# Altium PCB PCB_v1.PcbDoc (part 7 of 8) (continued)
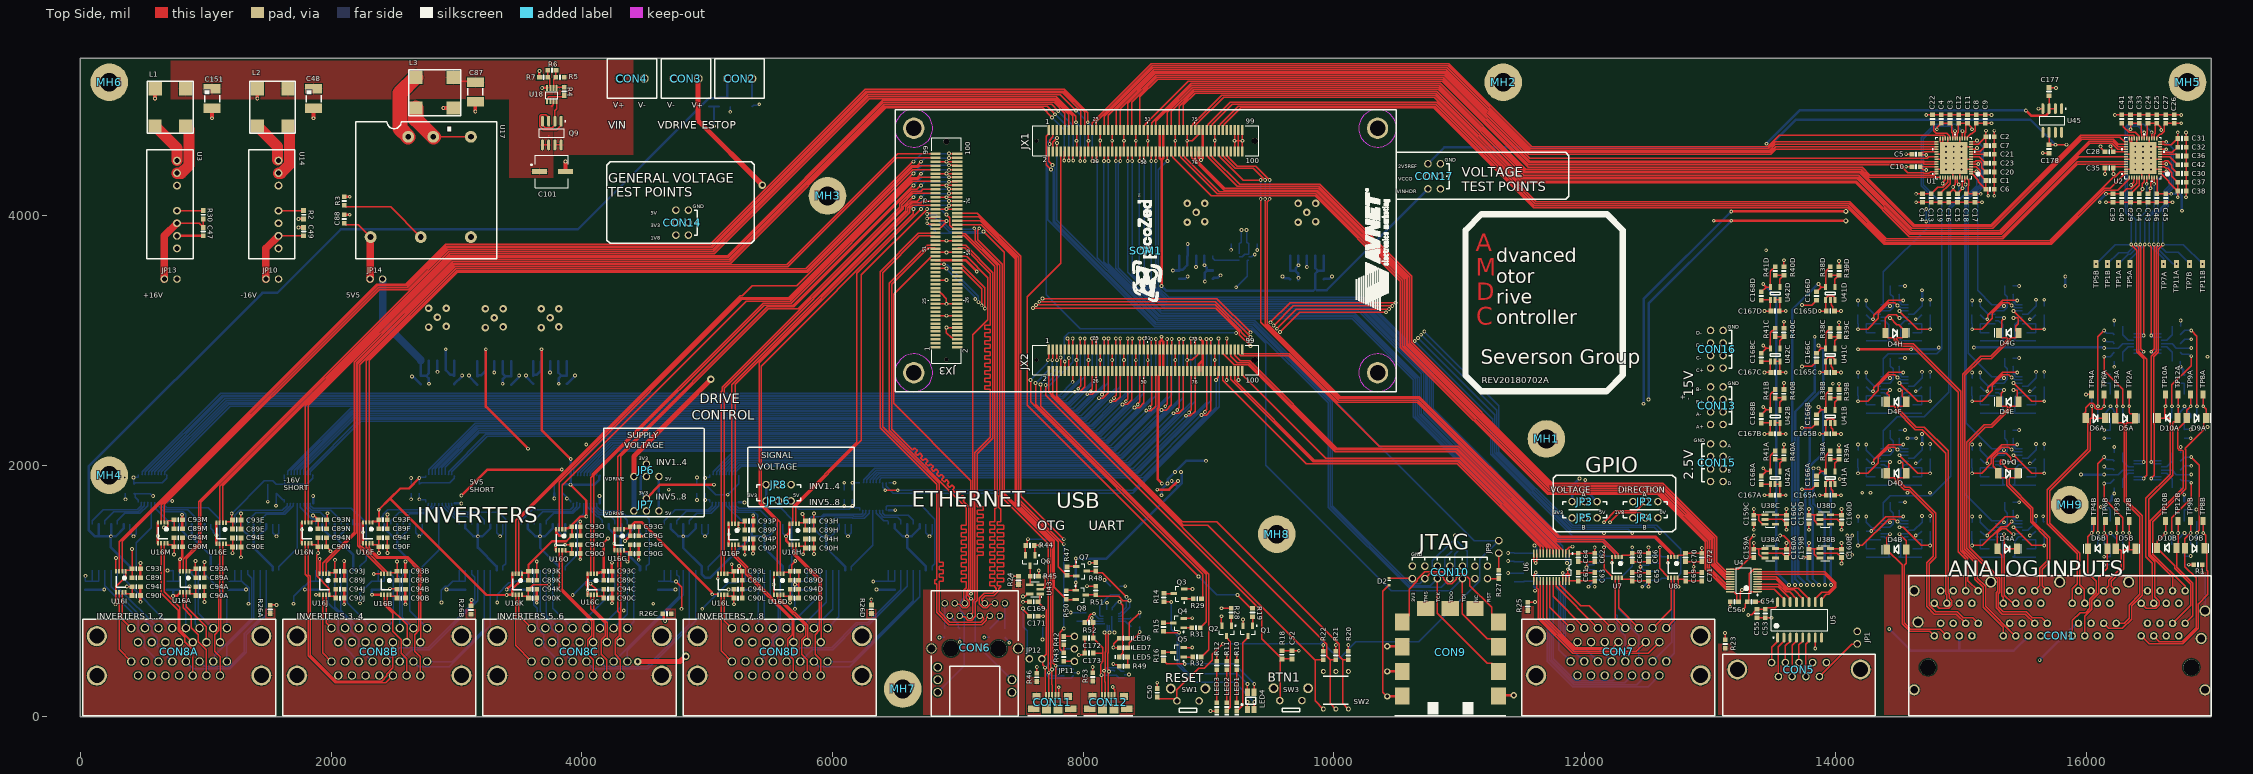
[diagram p0: Top Side view]
## Nets (pads, with @x,y where several pads share a name; then routed paths per layer and width w, separated by ;. In a path a pad name is that pad's centre, name@x,y a point inside that pad or via, vN(x,y) a via of type N, cw(c..) or ccw(c..) an arc to the next point about the centre after c; other vN are vias at no path point) (continued)
NetR5_1: R5.1 R6.2 U18.2 | length 148.2
  Top Side w10: U18.2@3773.97,5015.05 3773.97,5081.8 R5.1@3792.21,5100.05 3792.21,5153.42 R6.2@3793.84,5155.05
NetR6_1: R6.1 R7.2 U18.3 | length 148.9
  Top Side w10: R6.1@3726.91,5155.05 3728.68,5153.28 R7.2@3728.68,5100.05 3742.39,5086.35 3742.39,5037.18 3748.38,5031.19 U18.3@3748.38,5015.05
NetR8A_2: R8A.2 R9A.1 U3A.10 | length 491.2
  Top Side w10: v1(15421.63,1510) 15566.63,1365 v1(15666.63,1365)
  Bottom Side w10: v1(15421.63,1510) 15422.1,1510.47 15491.95,1510.47 U3A.10@15492.42,1510.94 ; v1(15666.63,1365) R9A.1@15666.63,1480
NetR8B_2: R8B.2 R9B.1 U3B.10 | length 491.2
  Top Side w10: v1(14511.63,1510) 14511.99,1509.64 14541.63,1509.64 14686.28,1365 v1(14756.63,1365)
  Bottom Side w10: v1(14511.63,1510) 14512.1,1510.47 14581.95,1510.47 U3B.10@14582.42,1510.94 ; v1(14756.63,1365) R9B.1@14756.63,1480
NetR8C_2: R8C.2 R9C.1 U3C.10 | length 491.2
  Top Side w10: v1(15421.63,2085) 15566.63,1940 v1(15666.63,1940)
  Bottom Side w10: v1(15421.63,2085) 15422.1,2085.47 15491.95,2085.47 U3C.10@15492.42,2085.94 ; v1(15666.63,1940) R9C.1@15666.63,2055
NetR8D_2: R8D.2 R9D.1 U3D.10 | length 491.2
  Top Side w10: v1(14511.63,2085) 14656.63,1940 v1(14756.63,1940)
  Bottom Side w10: v1(14511.63,2085) 14512.1,2085.47 14581.95,2085.47 U3D.10@14582.42,2085.94 ; v1(14756.63,1940) R9D.1@14756.63,2055
NetR8E_2: R8E.2 R9E.1 U3E.10 | length 491.2
  Top Side w10: v1(15421.63,2660) 15566.63,2515 v1(15666.63,2515)
  Bottom Side w10: v1(15421.63,2660) 15422.1,2660.47 15491.95,2660.47 U3E.10@15492.42,2660.94 ; v1(15666.63,2515) R9E.1@15666.63,2630
NetR8F_2: R8F.2 R9F.1 U3F.10 | length 491.2
  Top Side w10: v1(14511.63,2660) 14656.63,2515 v1(14756.63,2515)
  Bottom Side w10: v1(14511.63,2660) 14512.1,2660.47 14581.95,2660.47 U3F.10@14582.42,2660.94 ; v1(14756.63,2515) R9F.1@14756.63,2630
NetR8G_2: R8G.2 R9G.1 U3G.10 | length 491.2
  Top Side w10: v1(15421.63,3235) 15566.63,3090 v1(15666.63,3090)
  Bottom Side w10: v1(15421.63,3235) 15422.1,3235.47 15491.95,3235.47 U3G.10@15492.42,3235.94 ; v1(15666.63,3090) R9G.1@15666.63,3205
NetR8H_2: R8H.2 R9H.1 U3H.10 | length 491.2
  Top Side w10: v1(14511.63,3235) 14656.63,3090 v1(14756.63,3090)
  Bottom Side w10: v1(14511.63,3235) 14512.1,3235.47 14581.95,3235.47 U3H.10@14582.42,3235.94 ; v1(14756.63,3090) R9H.1@14756.63,3205
NetR30_2: R30.2 U3.5 | length 211.4
  Top Side w10: U3.5@770,4035.29 979.06,4035.29 R30.2@980.71,4036.93
NetR38A_1: R38A.1 R39A.2 U41A.4 | length 178.5
  Top Side w10: R38A.1@13960,2051.54 R39A.2@14030,2051.54 13997.4,2018.94 U41A.4@13997.4,1956.57
NetR38B_1: R38B.1 R39B.2 U41B.4 | length 178.5
  Top Side w10: R38B.1@13960,2541.54 R39B.2@14030,2541.54 13997.4,2508.94 U41B.4@13997.4,2446.57
NetR38C_1: R38C.1 R39C.2 U41C.4 | length 178.5
  Top Side w10: R38C.1@13960,3031.54 R39C.2@14030,3031.54 13997.4,2998.94 U41C.4@13997.4,2936.57
NetR38D_1: R38D.1 R39D.2 U41D.4 | length 178.5
  Top Side w10: R38D.1@13960,3521.54 R39D.2@14030,3521.54 13997.4,3488.94 U41D.4@13997.4,3426.57
NetR40A_1: R40A.1 R41A.2 U42A.4 | length 178.5
  Top Side w10: R41A.2@13520,2051.54 R40A.1@13590,2051.54 13557.4,2018.94 U42A.4@13557.4,1956.57
NetR40B_1: R40B.1 R41B.2 U42B.4 | length 178.5
  Top Side w10: R41B.2@13520,2541.54 R40B.1@13590,2541.54 13557.4,2508.94 U42B.4@13557.4,2446.57
NetR40C_1: R40C.1 R41C.2 U42C.4 | length 178.5
  Top Side w10: R41C.2@13520,3031.54 R40C.1@13590,3031.54 13557.4,2998.94 U42C.4@13557.4,2936.57
NetR40D_1: R40D.1 R41D.2 U42D.4 | length 178.5
  Top Side w10: R41D.2@13520,3521.54 R40D.1@13590,3521.54 13557.4,3488.94 U42D.4@13557.4,3426.57
NetR52_1: R52.1 U44.8 | length 201.3
  Top Side w10: R52.1@8011.54,750 8042.46,780.92 8042.46,796.99 8061.65,816.17 8081.17,816.17 v1(8085,820)
  Bottom Side w10: v1(8085,820) 8123.94,781.06 8157.01,781.06 U44.8@8157.92,780.16
NetR54_2: R54.2 U44.19 | length 105.8
  Bottom Side w10: U44.19@8279.78,780.16 8371.69,780.16 R54.2@8381.54,790
NetR55_2: R55.2 U44.20 | length 120.6
  Bottom Side w10: U44.20@8279.78,760.47 8336.06,760.47 R55.2@8381.54,715
NetU12A_1: U12A.1 U13A.19 | length 525.5
  Bottom Side w10: U12A.1@5799.98,1532.09 5799.98,1563.58 5831.4,1595 5910.19,1595 5930.58,1615.39 6171.44,1615.39 6174.95,1611.89 6231.24,1611.89 6239.98,1620.62 6239.98,1642.64 U13A.19@6243.83,1646.5
NetU12A_3: U12A.3 U13A.18 | length 451.1
  Bottom Side w10: U12A.3@5899.98,1532.09 5899.98,1563.58 5936.8,1600.39 6165.23,1600.39 6168.74,1596.89 6241.83,1596.89 6265.57,1620.62 6265.57,1642.64 U13A.18@6269.42,1646.5
NetU12A_5: U12A.5 U13A.17 | length 376.7
  Bottom Side w10: U12A.5@5999.98,1532.09 5999.98,1563.58 6021.8,1585.39 6159.02,1585.39 6162.52,1581.89 6252.42,1581.89 6291.16,1620.62 6291.16,1642.64 U13A.17@6295.02,1646.5
NetU12A_9: U12A.9 U13A.16 | length 552
  Bottom Side w10: U12A.9@6149.98,1165.16 6149.98,1196.65 6320.61,1367.28 U13A.16@6320.61,1646.5
NetU12B_1: U12B.1 U13B.19 | length 491.1
  Bottom Side w10: U12B.1@4658.45,1532.09 4658.45,1563.58 4745.97,1651.1 5009.64,1651.1 5041.76,1683.22 5041.76,1704.49 U13B.19@5045.61,1708.35
NetU12B_3: U12B.3 U13B.18 | length 416.7
  Bottom Side w10: U12B.3@4758.45,1532.09 4758.45,1563.58 4830.97,1636.1 5020.23,1636.1 5067.35,1683.22 5067.35,1704.49 U13B.18@5071.2,1708.35
NetU12B_5: U12B.5 U13B.17 | length 342.3
  Bottom Side w10: U12B.5@4858.45,1532.09 4858.45,1563.58 4915.97,1621.1 5030.82,1621.1 5092.94,1683.22 5092.94,1704.49 U13B.17@5096.8,1708.35
NetU12B_9: U12B.9 U13B.16 | length 590.4
  Bottom Side w10: U12B.9@5008.45,1165.16 5008.45,1196.65 5122.39,1310.59 U13B.16@5122.39,1708.35
NetU12C_1: U12C.1 U13C.19 | length 521.1
  Bottom Side w10: U12C.1@3516.91,1532.09 3516.91,1563.58 3603.93,1650.6 3907.65,1650.6 3932.68,1675.62 3932.68,1697.64 U13C.19@3936.54,1701.5
NetU12C_3: U12C.3 U13C.18 | length 453.5
  Bottom Side w10: U12C.3@3618.84,1532.09 3618.84,1565.51 3688.93,1635.6 3918.24,1635.6 3958.27,1675.62 3958.27,1705.24 U13C.18@3962.13,1709.09
NetU12C_5: U12C.5 U13C.17 | length 372.3
  Bottom Side w10: U12C.5@3716.91,1532.09 3716.91,1563.58 3773.93,1620.6 3928.83,1620.6 3983.86,1675.62 3983.86,1697.64 U13C.17@3987.72,1701.5
NetU12C_9: U12C.9 U13C.16 | length 597
  Bottom Side w10: U12C.9@3866.91,1165.16 3866.91,1196.65 3962.48,1292.22 3962.48,1565.36 4013.31,1616.18 U13C.16@4013.31,1701.5
NetU12D_1: U12D.1 U13D.19 | length 509.1
  Bottom Side w10: U12D.1@2375.38,1532.09 2375.38,1563.58 2414.21,1602.42 2414.21,1612.64 2449.5,1647.93 2741.2,1647.93 2776.5,1683.22 2776.5,1698.74 U13D.19@2780.35,1702.6
NetU12D_3: U12D.3 U13D.18 | length 428.7
  Bottom Side w10: U12D.3@2475.38,1532.09 2475.38,1563.58 2543.59,1631.8 2750.66,1631.8 2802.09,1683.22 2802.09,1698.74 U13D.18@2805.94,1702.6
NetU12D_5: U12D.5 U13D.17 | length 354.3
  Bottom Side w10: U12D.5@2575.38,1532.09 2575.38,1563.58 2628.59,1616.8 2761.25,1616.8 2827.68,1683.22 2827.68,1698.74 U13D.17@2831.54,1702.6
NetU12D_9: U12D.9 U13D.16 | length 592
  Bottom Side w10: U12D.9@2725.38,1165.16 2725.38,1196.65 2857.13,1328.4 U13D.16@2857.13,1702.6
NetU12E_1: U12E.1 U13E.19 | length 542.8
  Bottom Side w10: U12E.1@1232.7,1532.09 1232.7,1607.58 1271.82,1646.71 1611.16,1646.71 1647.68,1683.22 1647.68,1698.74 U13E.19@1651.54,1702.6
NetU12E_3: U12E.3 U13E.18 | length 442.1
  Bottom Side w10: U12E.3@1333.84,1532.09 1333.84,1564.72 1396.88,1627.76 1617.81,1627.76 1673.27,1683.22 1673.27,1698.74 U13E.18@1677.13,1702.6
NetU12E_5: U12E.5 U13E.17 | length 367.7
  Bottom Side w10: U12E.5@1433.84,1532.09 1433.84,1564.72 1481.88,1612.76 1628.4,1612.76 1698.86,1683.22 1698.86,1698.74 U13E.17@1702.72,1702.6
NetU12E_9: U12E.9 U13E.16 | length 597.8
  Bottom Side w10: U12E.9@1582.7,1165.16 1582.7,1196.65 1728.31,1342.26 U13E.16@1728.31,1702.6
NetU12F_1: U12F.1 U13F.19 | length 498.3
  Bottom Side w10: U12F.1@94.63,1532.09 94.63,1563.58 181.65,1650.6 451.83,1650.6 484.45,1683.22 484.45,1705.24 U13F.19@488.31,1709.09
NetU12F_3: U12F.3 U13F.18 | length 423.9
  Bottom Side w10: U12F.3@194.63,1532.09 194.63,1563.58 266.65,1635.6 462.42,1635.6 510.04,1683.22 510.04,1705.24 U13F.18@513.9,1709.09
NetU12F_5: U12F.5 U13F.17 | length 349.5
  Bottom Side w10: U12F.5@294.63,1532.09 294.63,1563.58 351.65,1620.6 473.01,1620.6 535.63,1683.22 535.63,1705.24 U13F.17@539.49,1709.09
NetU12F_9: U12F.9 U13F.16 | length 593.8
  Bottom Side w10: U12F.9@444.63,1165.16 444.63,1386.62 565.08,1507.07 U13F.16@565.08,1709.09
NetU13A_12: U13A.12 U15A.9 | length 881.9
  Bottom Side w10: U13A.12@6422.97,1646.5 6426.83,1650.35 6426.83,1672.37 6435.56,1681.1 6709.85,1681.1 6816.8,1574.15 6816.8,1220 6794.98,1198.19 U15A.9@6794.98,1166.69
NetU13A_13: U13A.13 U15A.5 | length 325.7
  Bottom Side w10: U13A.13@6397.38,1646.5 6401.24,1642.64 6401.24,1620.62 6416.86,1605 6605.1,1605 6644.98,1565.12 U15A.5@6644.98,1533.62
NetU13A_14: U13A.14 U15A.3 | length 251.3
  Bottom Side w10: U13A.14@6371.79,1646.5 6375.65,1642.64 6375.65,1620.62 6406.27,1590 6520.1,1590 6544.98,1565.12 U15A.3@6544.98,1533.62
NetU13A_15: U13A.15 U15A.1 | length 170.6
  Bottom Side w10: U13A.15@6346.2,1646.5 6350.05,1642.64 6350.05,1620.12 6410.05,1560.12 6438.69,1560.12 6444.98,1553.83 U15A.1@6444.98,1533.62
NetU13B_12: U13B.12 U15B.9 | length 935
  Bottom Side w10: U13B.12@5224.75,1708.35 5228.61,1704.49 5228.61,1683.22 5251.24,1660.58 5588.83,1660.58 5675.26,1574.15 5675.26,1220 5653.45,1198.19 U15B.9@5653.45,1166.69
NetU13B_13: U13B.13 U15B.5 | length 407.6
  Bottom Side w10: U13B.13@5199.16,1708.35 5203.02,1704.49 5203.02,1683.22 5240.65,1645.58 5422.98,1645.58 5503.45,1565.12 U15B.5@5503.45,1533.62
NetU13B_14: U13B.14 U15B.3 | length 356
  Bottom Side w10: U13B.14@5173.57,1708.35 5177.42,1704.49 5177.42,1683.22 5230.06,1630.58 5377,1630.58 5403.45,1604.14 U15B.3@5403.45,1533.62
NetU13B_15: U13B.15 U15B.1 | length 252.1
  Bottom Side w10: U13B.15@5147.98,1708.35 5151.83,1704.49 5151.83,1683.22 5274.94,1560.12 5297.16,1560.12 5303.45,1553.83 U15B.1@5303.45,1533.62
NetU13C_12: U13C.12 U15C.9 | length 902.1
  Bottom Side w10: U13C.12@4115.67,1701.5 4119.53,1697.64 4119.53,1675.62 4155.15,1640 4310.17,1640 4350.17,1600 4509.81,1600 4535.65,1574.15 4535.65,1220 4513.84,1198.19 U15C.9@4513.84,1166.69
NetU13C_13: U13C.13 U15C.5 | length 374.6
  Bottom Side w10: U13C.13@4090.08,1701.5 4093.94,1697.64 4093.94,1675.62 4144.56,1625 4303.96,1625 4363.84,1565.12 U15C.5@4363.84,1533.62
NetU13C_14: U13C.14 U15C.3 | length 300.2
  Bottom Side w10: U13C.14@4064.49,1701.5 4068.35,1697.64 4068.35,1675.62 4133.97,1610 4218.96,1610 4263.84,1565.12 U15C.3@4263.84,1533.62
NetU13C_15: U13C.15 U15C.1 | length 225.8
  Bottom Side w10: U13C.15@4038.9,1701.5 4042.76,1697.64 4042.76,1675.62 4123.38,1595 4133.96,1595 4163.84,1565.12 U15C.1@4163.84,1533.62
NetU13D_12: U13D.12 U15D.9 | length 911.5
  Bottom Side w10: U13D.12@2959.49,1702.6 2963.35,1698.74 2963.35,1683.22 3017.88,1628.69 3337.65,1628.69 3392.19,1574.15 3392.19,1220 3370.38,1198.19 U15D.9@3370.38,1166.69
NetU13D_13: U13D.13 U15D.5 | length 384
  Bottom Side w10: U13D.13@2933.9,1702.6 2937.76,1698.74 2937.76,1683.22 3007.29,1613.69 3171.81,1613.69 3220.38,1565.12 U15D.5@3220.38,1533.62
NetU13D_14: U13D.14 U15D.3 | length 309.6
  Bottom Side w10: U13D.14@2908.31,1702.6 2912.17,1698.74 2912.17,1683.22 2996.7,1598.69 3086.81,1598.69 3120.38,1565.12 U15D.3@3120.38,1533.62
NetU13D_15: U13D.15 U15D.1 | length 234.7
  Bottom Side w10: U13D.15@2882.72,1702.6 2886.57,1698.74 2886.57,1683.22 2986.11,1583.69 3001.03,1583.69 3020.38,1564.34 U15D.1@3020.38,1533.62
NetU13E_12: U13E.12 U15E.9 | length 921.4
  Bottom Side w10: U13E.12@1830.67,1702.6 1834.53,1698.74 1834.53,1683.22 1856.15,1661.6 2162.07,1661.6 2278.23,1545.44 2278.23,1248.72 2227.7,1198.19 U15E.9@2227.7,1166.69
NetU13E_13: U13E.13 U15E.5 | length 370.6
  Bottom Side w10: U13E.13@1805.08,1702.6 1808.94,1698.74 1808.94,1683.22 1845.56,1646.6 1996.22,1646.6 2078.84,1563.98 U15E.5@2078.84,1533.62
NetU13E_14: U13E.14 U15E.3 | length 296.2
  Bottom Side w10: U13E.14@1779.49,1702.6 1783.35,1698.74 1783.35,1683.22 1836.98,1629.58 1913.24,1629.58 1978.84,1563.98 U15E.3@1978.84,1533.62
NetU13E_15: U13E.15 U15E.1 | length 229
  Bottom Side w10: U13E.15@1753.9,1702.6 1754.74,1701.76 1754.74,1669.49 1844.64,1579.58 1859.55,1579.58 1877.7,1561.43 U15E.1@1877.7,1533.62
NetU13F_12: U13F.12 U15F.9 | length 930.9
  Bottom Side w10: U13F.12@663.58,1709.09 671.3,1701.38 671.3,1683.22 689.52,1665 1020.59,1665 1111.44,1574.15 1111.44,1220 1089.63,1198.19 U15F.9@1089.63,1166.69
NetU13F_13: U13F.13 U15F.5 | length 419.8
  Bottom Side w10: U13F.13@638.84,1708.35 645.71,1701.48 645.71,1683.22 678.93,1650 854.75,1650 940.54,1564.21 U15F.5@940.54,1516.5
NetU13F_14: U13F.14 U15F.3 | length 372.6
  Bottom Side w10: U13F.14@619.16,1708.35 620.12,1707.39 620.12,1683.22 668.34,1635 820.36,1635 839.63,1615.73 839.63,1517.4 U15F.3@840.54,1516.5
NetU13F_15: U13F.15 U15F.1 | length 259
  Bottom Side w10: U13F.15@590.67,1709.09 590.67,1665.6 696.15,1560.12 733.34,1560.12 739.63,1553.83 U15F.1@739.63,1533.62
OUTA: U4.3 U5.14 | length 327.9
  Top Side w10: U4.3@13379.25,1036.02 13544.52,1036.02 13640,940.54 U5.14@13640,912.98
OUTB: U4.6 U5.12 | length 452.3
  Top Side w10: U4.6@13379.25,1095.08 13528.35,1095.08 13613.43,1010 13670.54,1010 13740,940.54 U5.12@13740,912.98
OUTZ: U4.8 U5.10 | length 880.8
  Top Side w10: U4.8@13379.25,1134.45 13915.91,1134.45 13990,1060.36 13990,1039.64 13941.75,991.4 13890.85,991.4 13840,940.54 U5.10@13840,912.98
R\S\T\1: CON8A.8A U16I.7 | length 316.3
  Top Side w10: U16I.7@334.41,992.11 334.41,775.59 CON8A.8A@405,705
R\S\T\2: CON8A.8B U16I.6 | length 592.9
  Top Side w10: U16I.6@308.82,992.11 308.82,535.18 CON8A.8B@405,439
R\S\T\3: CON8B.8A U16J.7 | length 284.9
  Top Side w10: U16J.7@1959.41,972.11 1959.41,747.92 CON8B.8A@2002.33,705
R\S\T\4: CON8B.8B U16J.6 | length 561.5
  Top Side w10: U16J.6@1933.82,972.11 1933.82,507.51 CON8B.8B@2002.33,439
R\S\T\5: CON8C.8A U16K.7 | length 309.8
  Top Side w10: U16K.7@3496.48,972.11 3496.48,808.19 CON8C.8A@3599.67,705
R\S\T\6: CON8C.8B U16K.6 | length 586.4
  Top Side w10: U16K.6@3470.89,972.11 3470.89,567.78 CON8C.8B@3599.67,439
R\S\T\7: CON8D.8A U16L.7 | length 292.3
  Top Side w10: U16L.7@5136.09,972.11 5136.09,765.91 CON8D.8A@5197,705
R\S\T\8: CON8D.8B U16L.6 | length 568.9
  Top Side w10: U16L.6@5110.5,972.11 5110.5,525.5 CON8D.8B@5197,439
RDY1: CON8A.9A U16E.7 | length 796.4
  Top Side w10: CON8A.9A@1113.5,593 1120,599.5 1120,949.36 1136.18,965.54 U16E.7@1136.18,1380
RDY2: CON8A.9B U16E.6 | length 1087.8
  Top Side w10: U16E.6@1110.59,1380 1110.59,965.78 1105,960.19 1105,689.48 1070,654.48 1070,520.2 1113.5,476.7 CON8A.9B@1113.5,327
RDY3: CON8B.9A U16F.7 | length 1098.2
  Top Side w10: U16F.7@2304.41,1382.11 2304.41,1346.77 2374.64,1276.54 2609.27,1276.54 2714.83,1170.97 2714.83,597 CON8B.9A@2710.83,593
RDY4: CON8B.9B U16F.6 | length 1398.4
  Top Side w10: U16F.6@2278.82,1382.11 2280.36,1380.56 2280.36,1349.61 2368.43,1261.54 2603.06,1261.54 2699.83,1164.76 2699.83,686.98 2667.33,654.48 2667.33,520.2 2710.83,476.7 CON8B.9B@2710.83,327
RDY5: CON8C.9A U16G.7 | length 737.3
  Top Side w10: CON8C.9A@4308.17,593 4312.17,597 4312.17,832.6 4309.21,835.56 4309.21,1326.37 U16G.7@4309.94,1327.11
RDY6: CON8C.9B U16G.6 | length 1036.9
  Top Side w10: U16G.6@4284.35,1327.11 4284.35,839.2 4297.17,826.39 4297.17,643.52 4264.67,611.02 4264.67,498.47 4308.17,454.97 CON8C.9B@4308.17,327
RDY7: CON8D.9A U16H.7 | length 864.2
  Top Side w10: U16H.7@5706.94,1371.67 5706.94,1292.91 5909.5,1090.35 5909.5,597 CON8D.9A@5905.5,593
RDY8: CON8D.9B U16H.6 | length 1164.4
  Top Side w10: U16H.6@5681.35,1371.67 5681.35,1297.28 5894.5,1084.14 5894.5,686.98 5862,654.48 5862,498.47 5905.5,454.97 CON8D.9B@5905.5,327
SH_AGND: CON1.SH1 CON1.SH2 CON1.SH3 CON1.SH4 CON1.SH5 CON1.SH6 CON1.SH7 CON1.SH8 CON1.SH9 R1.2 | length 376.6
  Top Side w10: v1(16926.93,1150) R1.2@16926.93,1210
  Bottom Side w10: v1(16926.93,1150) 16950,1126.93 CON1.SH7@16950,843
SH_ENC: CON5.SH1 CON5.SH2 R23.1
SH_ETH: CON6.18 CON6.19 R24.2
SH_GND_INV: CON8A.SH1 CON8A.SH2 CON8A.SH3 CON8A.SH4 CON8B.SH1 CON8B.SH2 CON8B.SH3 CON8B.SH4 CON8C.SH1 CON8C.SH2 CON8C.SH3 CON8C.SH4 CON8D.SH1 CON8D.SH2 CON8D.SH3 CON8D.SH4 R26A.2 R26B.2 R26C.2 R26D.2
SH_GPIO: CON7.SH1 CON7.SH2 CON7.SH3 CON7.SH4 R25.1
SH_USBOTG: CON11.SH1 CON11.SH2 CON11.SH3 CON11.SH4 R46.1
SH_USBUART: CON12.SH1 CON12.SH2 CON12.SH3 CON12.SH4 R53.1
USB_OTG_CPEN: Q6.2 R44.1 SOM1.JX3-70 | length 3468.9
  Top Side w10: SOM1.JX3-70@6994.92,4017.1 7155.9,4017.1 7501.04,3671.96 7501.04,1758.96 v1(7845,1415) ; Q6.2@7539.13,1286.34 7539.13,1356.14 R44.1@7544.76,1361.77 ; R44.1@7541.54,1365 7555.24,1378.7 7555.24,1404.82 7560,1409.59 v1(7560,1415)
  Bottom Side w10: v1(7560,1415) v1(7845,1415)
USB_OTG_ID: CON11.4 D7.1 SOM1.JX3-63 | length 4656.8
  Top Side w10: v1(6755,3935) 6760.41,3935 6767.8,3927.61 6816.69,3927.61 SOM1.JX3-63@6821.69,3922.61 ; v1(7205,3869) 7368,3706 7368,1781.8 7755,1394.8 7755,430 v1(7780,405) 7778.98,403.98 7778.98,168.43 CON11.4@7777.95,167.4
  Bottom Side w10: v1(6755,3935) 6836,3854 7184.59,3854 7199.59,3869 v1(7205,3869) ; v1(7780,405) 7891.02,405 7920.43,375.59 D7.1@7922.4,375.59
USB_OTG_N: CON11.2 D7.4 SOM1.JX3-69 | length 4609.6
  Top Side w10: v1(6755,4010) 6762.1,4017.1 SOM1.JX3-69@6821.69,4017.1 ; v1(7130,3895) 7130,3889.59 7140,3879.59 7140,3793.85 7333,3600.85 7333,1767.3 7720,1380.3 7720,383.03 7723.03,380 7723.03,351.97 v1(7725,350) 7725,347.53 7726.77,345.76 CON11.2@7726.77,167.4
  Bottom Side w10: v1(6755,4010) 6760.41,4010 6768.81,4001.61 6825.45,4001.61 6938.06,3889 7114.14,3889 7116.32,3891.17 7126.17,3891.17 v1(7130,3895) ; v1(7725,350) 7725,344.59 7743.4,326.19 7743.4,324.27 7794.57,324.27 7794.7,324.41 D7.4@7847.6,324.41
USB_OTG_P: CON11.3 D7.5 SOM1.JX3-67 | length 4622
  Top Side w10: v1(6755,3973.21) 6762.75,3973.21 6770.14,3980.6 6816.69,3980.6 SOM1.JX3-67@6821.69,3985.6 ; v1(7170,3895) 7170,3889.59 7160,3879.59 7160,3802.14 7353,3609.14 7353,1775.59 7740,1388.59 7740,391.31 7750.46,380.86 v1(7750.46,375.46) 7750.46,253.64 7752.36,251.74 CON11.3@7752.36,167.4
  Bottom Side w10: v1(6755,3973.21) 6760.41,3973.21 6768.81,3981.61 6817.17,3981.61 6929.77,3869 7144,3869 v1(7170,3895) ; v1(7750.46,375.46) 7773.37,375.46 7773.5,375.59 D7.5@7847.6,375.59
USB_UART_D_N: CON12.2 D8.1 U44.5 | length 769.4
  Top Side w10: v1(8170,670) 8170,664.59 8180,654.59 8180,516.74 8175.59,512.33 8175.59,380.86 8165,370.26 v1(8165,365) 8165,359.59 8172.44,352.15 8172.44,276.91 8174.13,275.22 CON12.2@8174.13,167.4
  Bottom Side w10: v1(8165,365) 8190,390 8273.15,390 8302.56,360.59 D8.1@8327.4,360.59 ; v1(8170,670) 8170,671.8 8190.26,692.05 8190.26,728.13 U44.5@8189.41,728.98
USB_UART_D_P: CON12.3 D8.5 U44.4 | length 629.9
  Top Side w10: CON12.3@8199.72,167.4 8199.72,348.12 8206.19,354.59 v1(8206.19,360) 8206.19,365.26 8195.59,375.86 8195.59,504.05 8200,508.45 8200,654.59 8210,664.59 v1(8210,670)
  Bottom Side w10: v1(8206.19,360) 8211.6,360 8221.19,369.59 8241.9,369.59 8247.76,363.73 8247.76,363.46 8250.63,360.59 D8.5@8252.6,360.59 ; U44.4@8209.1,728.98 8208.26,728.13 8208.26,671.74 v1(8210,670)
USB_UART_RXD: Q7.2 R47.1 SOM1.JX3-66 | length 3373.7
  Top Side w10: SOM1.JX3-66@6994.92,3954.1 7176.46,3954.1 7471.04,3659.53 7471.04,1724.07 7800,1395.11 7800,1196.54 R47.1@7870,1126.54 ; R47.1@7870,1131.54 7878.94,1122.6 Q7.2@7943.66,1122.6
USB_UART_TXD: Q8.2 R50.1 SOM1.JX3-64 | length 3534.1
  Top Side w10: SOM1.JX3-64@6994.92,3922.61 7186.75,3922.61 7456.04,3653.32 7456.04,1714.98 7770,1401.01 7770,1031.54 7868.94,932.6 Q8.2@7938.66,932.6
USB_VBUS_OTG: R42.1 R43.1 SOM1.JX3-68 | length 4020.6
  Top Side w10: SOM1.JX3-68@6994.92,3985.6 7166.18,3985.6 7486.04,3665.75 7486.04,1733.96 v1(7845,1375) ; R42.1@7845,571.54 R43.1@7845,508.46 7811.3,542.17 7811.3,669.71 v1(7845,703.42)
  Bottom Side w10: v1(7845,703.42) v1(7845,1375)
USER_BTN1: C52.2 R18.2 SOM1.JX2-8 SW3.1 | length 3763.7
  Top Side w10: v1(7700,2645.36) 7700,2565.01 9424.13,840.87 9424.13,620 R18.2@9585,459.13 ; v1(7820,2865) 7820.57,2864.43 7820.57,2757.34 SOM1.JX2-8@7821.14,2756.77 ; SW3.1@9567.83,127.6 9571.3,131.06 9571.3,445.43 R18.2@9585,459.13 ; C52.2@9665,459.13 R18.2@9585,459.13
  Bottom Side w10: v1(7700,2645.36) 7820,2765.36 v1(7820,2865)
USER_LED_B: R32.2 SOM1.JX2-5 | length 3089
  Top Side w10: v1(7660,2650) 7660,2474.54 9000,1134.54 9000,534.64 8940.36,475 R32.2@8939.8,475 ; v1(7789.65,2843.39) SOM1.JX2-5@7789.65,2930
  Bottom Side w10: v1(7660,2650) 7789.65,2779.65 v1(7789.65,2843.39)
USER_LED_G: R31.2 SOM1.JX2-3 | length 2861.8
  Top Side w10: v1(7620,2660) 7620,2493.33 8980,1133.33 8980,755.14 R31.2@8933.08,708.22 ; v1(7753.65,2843.39) 7755.9,2845.64 7755.9,2927.75 SOM1.JX2-3@7758.15,2930
  Bottom Side w10: v1(7620,2660) 7753.65,2793.65 v1(7753.65,2843.39)
USER_LED_R: R29.2 SOM1.JX2-1 | length 2624.7
  Top Side w10: v1(7580,2685) 7580,2512.12 8955,1137.12 8955,951.89 R29.2@8943.46,940.36 ; v1(7717.65,2843.39) 7717.65,2848.8 7726.65,2857.81 SOM1.JX2-1@7726.65,2930
  Bottom Side w10: v1(7580,2685) 7713.82,2818.82 7713.82,2839.56 v1(7717.65,2843.39)
USER_SW1: R22.2 SOM1.JX2-2 SW2.1 | length 3670.2
  Top Side w10: SOM1.JX2-2@7726.65,2756.77 7726.65,2589.41 7743.15,2572.91 7743.15,2559.01 9847.16,455 9850,455 ; SW2.1@9915,60 9850,125 9850,455 ; R22.2@9915,454.13 9914.13,455 9850,455
USER_SW2: R21.2 SOM1.JX2-4 SW2.3 | length 3793.5
  Top Side w10: SOM1.JX2-4@7758.15,2756.77 7758.15,2565.22 8798.19,1525.18 8995.18,1525.18 9943.7,576.65 9943.7,481.3 9970,455 ; SW2.3@10015,57.6 SW2.3@10015,60 9970,105 9970,454.13 R21.2@10015,454.13
USER_SW3: R20.2 SOM1.JX2-6 SW2.5 | length 3869.3
  Top Side w10: SOM1.JX2-6@7789.65,2756.77 7789.65,2554.94 8791.26,1553.33 9067.03,1553.33 10043.7,576.65 10043.7,481.3 10070,455 ; SW2.5@10115,57.6 SW2.5@10115,60 10070,105 10070,455 ; R20.2@10115,454.13 10114.13,455 10070,455
V_AA: R57A.1 U47A.2 U47A.13 | length 741.6
  Top Side w10: v1(16145,2870) 16145,2760.36 16295,2610.36 v1(16295,2475.51)
  Bottom Side w10: v1(16145,2870) 16191.54,2870 R57A.1@16226.54,2905 ; U47A.2@16295,2381.02 U47A.13@16295,2570
V_AB: R57B.1 U47B.2 U47B.13 | length 741.6
  Top Side w10: v1(16145,1860) 16145,1737.76 16295,1587.76 v1(16295,1465.51)
  Bottom Side w10: v1(16145,1860) 16191.54,1860 R57B.1@16226.54,1895 ; U47B.2@16295,1371.02 U47B.13@16295,1560
V_BA: R58A.1 U47A.6 U47A.9 | length 910.2
  Top Side w10: v1(16095,2475.51) 16095,3030 v1(16145,3080)
  Bottom Side w10: U47A.6@16095,2381.02 U47A.9@16095,2570 ; v1(16145,3080) 16166.3,3058.7 16212.83,3058.7 R58A.1@16226.54,3045
V_BB: R58B.1 U47B.6 U47B.9 | length 912.3
  Top Side w10: v1(16095,1465.51) 16092.5,1468.01 16092.5,2017.5 v1(16145,2070)
  Bottom Side w10: U47B.6@16095,1371.02 U47B.9@16095,1560 ; v1(16145,2070) 16166.3,2048.7 16212.83,2048.7 R58B.1@16226.54,2035
V_CA: R59A.1 U48A.2 U48A.13 | length 913.1
  Top Side w10: v1(16840,3080) 16885,3035 v1(16885,2475.51)
  Bottom Side w10: R59A.1@16753.46,3045 16788.46,3080 v1(16840,3080) ; U48A.2@16885,2381.02 U48A.13@16885,2570
V_CB: R59B.1 U48B.2 U48B.13 | length 929.7
  Top Side w10: v1(16840,2070) 16905,2005 16905,1487.94 16885,1467.94 v1(16885,1465.51)
  Bottom Side w10: R59B.1@16753.46,2035 16788.46,2070 v1(16840,2070) ; U48B.2@16885,1371.02 U48B.13@16885,1560
V_DA: R60A.1 U48A.6 U48A.9 | length 751.6
  Top Side w10: v1(16685,2475.51) 16685,2645.36 16840,2800.36 v1(16840,2875)
  Bottom Side w10: U48A.6@16685,2381.02 U48A.9@16685,2570 ; R60A.1@16753.46,2905 16767.17,2891.3 16818.29,2891.3 16834.59,2875 v1(16840,2875)
V_DB: R60B.1 U48B.6 U48B.9 | length 751.6
  Top Side w10: v1(16685,1465.51) 16685,1587.76 16840,1742.76 v1(16840,1865)
  Bottom Side w10: U48B.6@16685,1371.02 U48B.9@16685,1560 ; R60B.1@16753.46,1895 16767.17,1881.3 16818.29,1881.3 16834.59,1865 v1(16840,1865)
VBA: C90A.1 C90B.1 C90E.1 C90F.1 C90I.1 C90J.1 C90M.1 C90N.1 C94A.1 C94B.1 C94E.1 C94F.1 C94I.1 C94J.1 C94M.1 C94N.1 JP8.2 U16A.8 U16B.8 U16E.8 U16F.8 U16I.8 U16J.8 U16M.8 U16N.8 | length 8293.7
  Top Side w10: U16I.8@360,992.11 360,982.87 363.27,979.61 396.93,979.61 C90I.1@411.54,965 C94I.1@411.54,1036.67 v1(370,1036.67) ; U16M.8@695,1382.11 695,1372.87 698.27,1369.61 731.93,1369.61 C90M.1@746.54,1355 ; v1(746.54,1293.46) C90M.1@746.54,1355 ; C94M.1@746.54,1426.67 C90M.1@746.54,1355 ; v1(870,1036.67) 870,982.87 873.27,979.61 906.93,979.61 C90A.1@921.54,965 C94A.1@921.54,1036.67 ; U16E.8@1161.77,1380 1161.77,1370.77 1165.04,1367.5 1198.7,1367.5 C90E.1@1213.31,1352.89 ; v1(1213.31,1303.31) C90E.1@1213.31,1352.89 ; C94E.1@1213.31,1424.56 C90E.1@1213.31,1352.89 ; U16N.8@1843.88,1382.11 1843.88,1372.87 1848.06,1368.7 1881.72,1368.7 C90N.1@1895.42,1355 ; C94N.1@1895.42,1426.67 C90N.1@1895.42,1355 ; C94J.1@2036.54,1016.67 C90J.1@2036.54,945 2021.93,959.61 1988.27,959.61 1985,962.87 1985,1021.19 1883.23,1122.96 1883.23,1286.62 1896.2,1299.59 1896.2,1354.22 C90N.1@1895.42,1355 ; U16F.8@2330,1382.11 2330,1372.87 2333.27,1369.61 2366.93,1369.61 C90F.1@2381.54,1355 ; v1(2381.54,1305) C90F.1@2381.54,1355 ; C94F.1@2381.54,1426.67 C90F.1@2381.54,1355 ; v1(2470,1020) 2522.44,1020 C94B.1@2525.77,1016.67 C90B.1@2525.77,945 2511.17,959.61 2477.5,959.61 2474.24,962.87 U16B.8@2474.24,972.11
  Top Side w20: v1(3038.31,1762.6) 3245.71,1970 v1(3840,1970)
  Ground Layer w20: v1(3840,1970) 4000,1810 v1(4693.45,1810)
  Power Layer w10: v1(2381.54,1305) 2470,1216.54 v1(2470,1020)
  Power Layer w20: v1(370,1036.67) 745,1036.67 ; v1(746.54,1293.46) 745,1291.93 745,1036.67 ; v1(3038.31,1762.6) 2876.06,1600.36 2876.06,1567.93 2715.73,1407.6 2484.13,1407.6 v1(2381.54,1305) 2286.54,1210 2027.57,1210 1934.49,1303.09 1898.11,1303.09 v1(1896.2,1305) 1895.35,1304.15 1214.15,1304.15 1213.31,1305 1211.61,1303.31 1136.64,1303.31 v1(870,1036.67) 745,1036.67 ; v1(4693.45,1810) 4805.85,1697.6 5048.97,1697.6 5151.38,1800 5519.83,1800 JP8.2@5569.83,1850